# Allegro board OE19_backplane_1v02_b_0705_0920_customer.brd
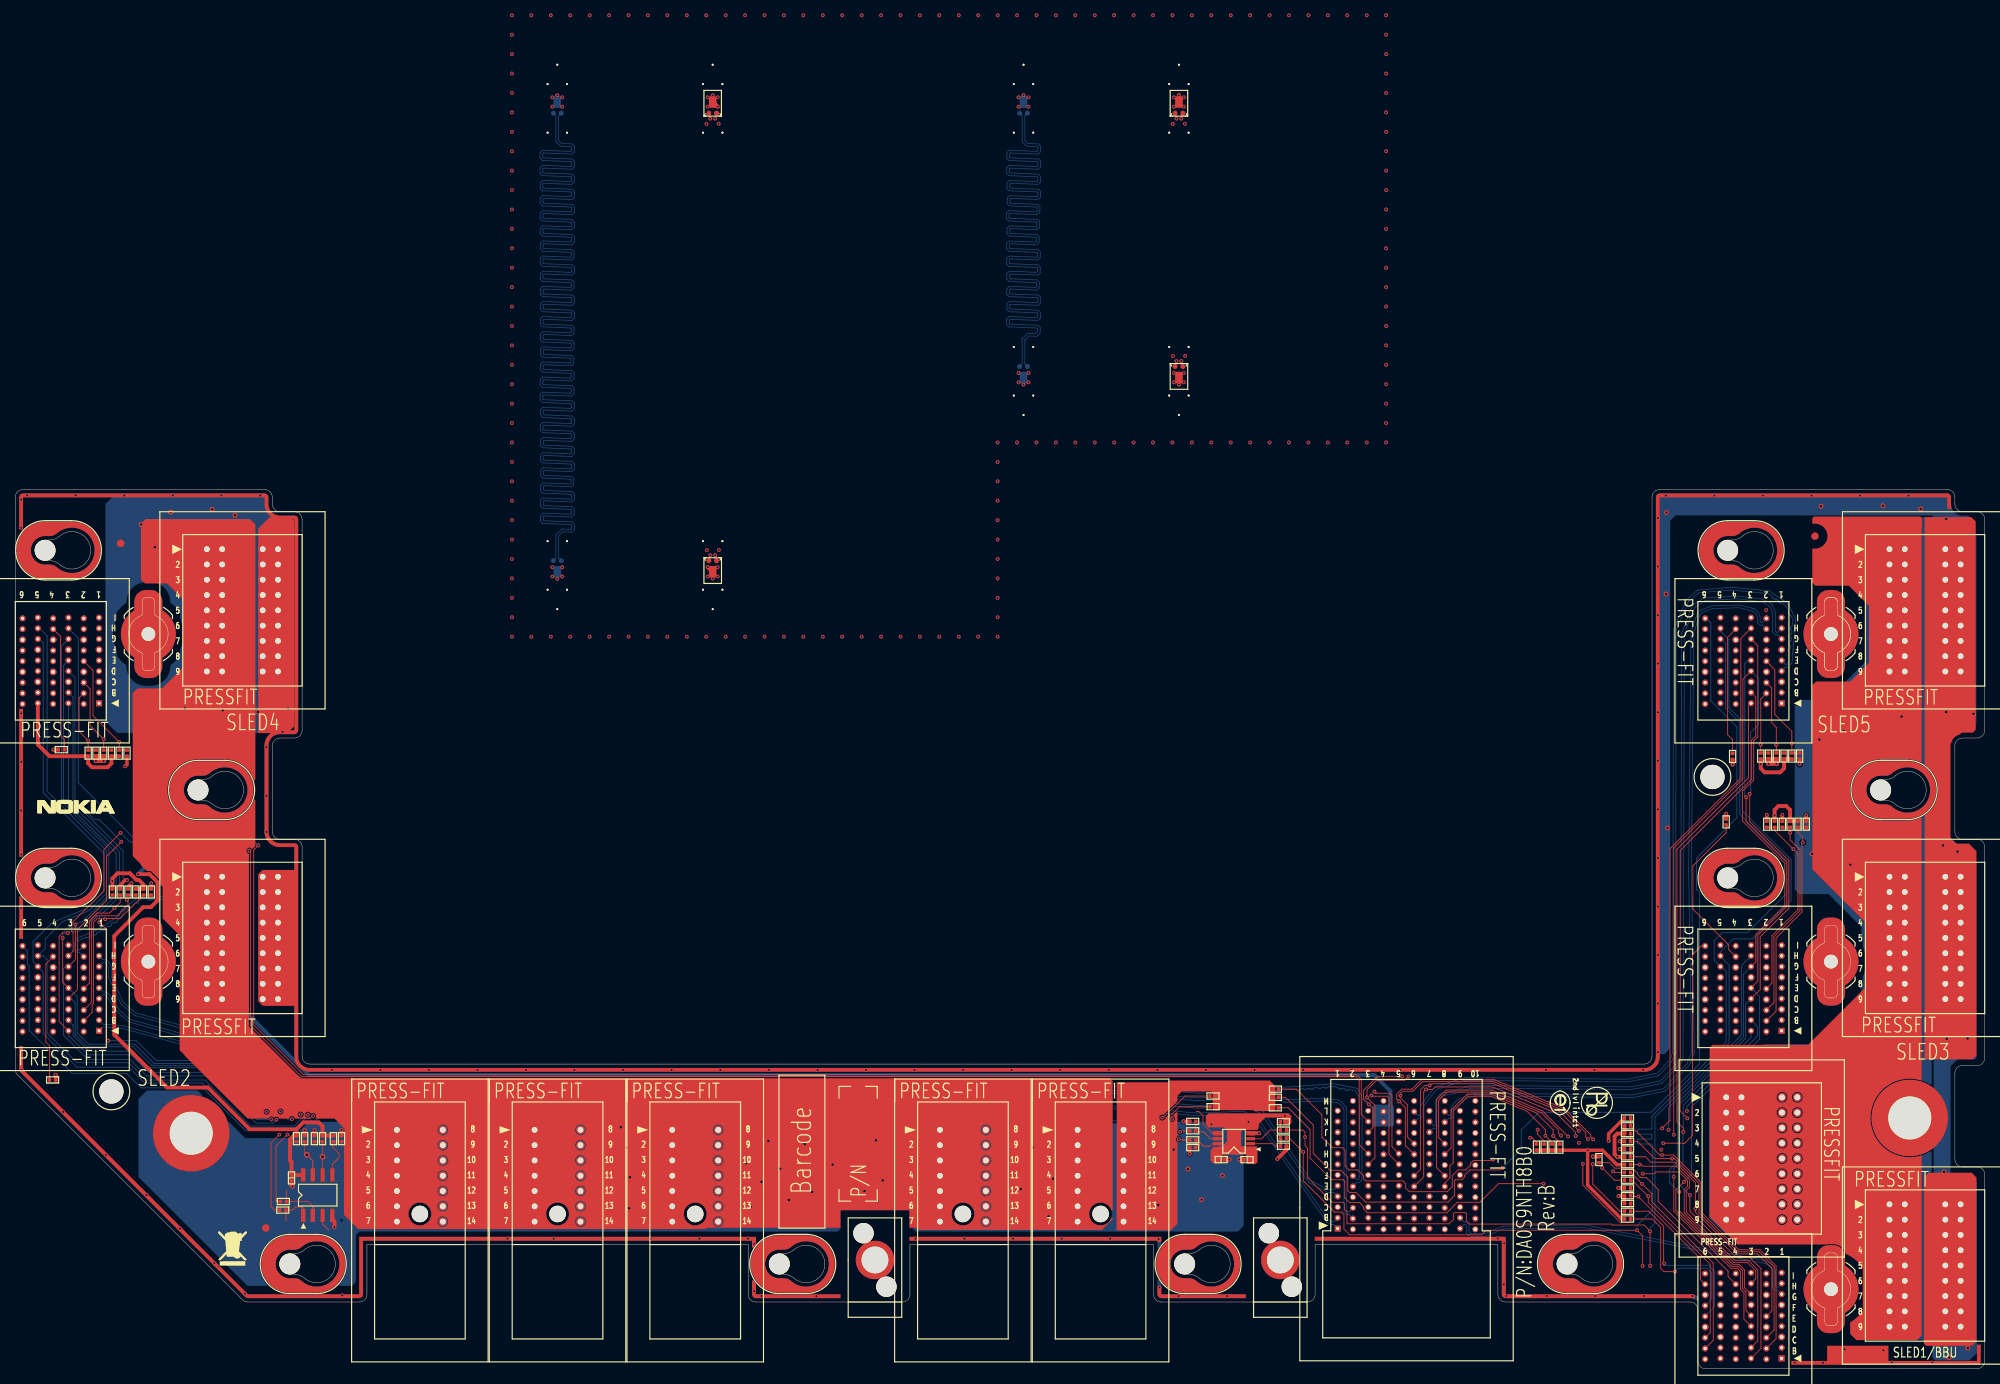
[diagram p0: board, top side]
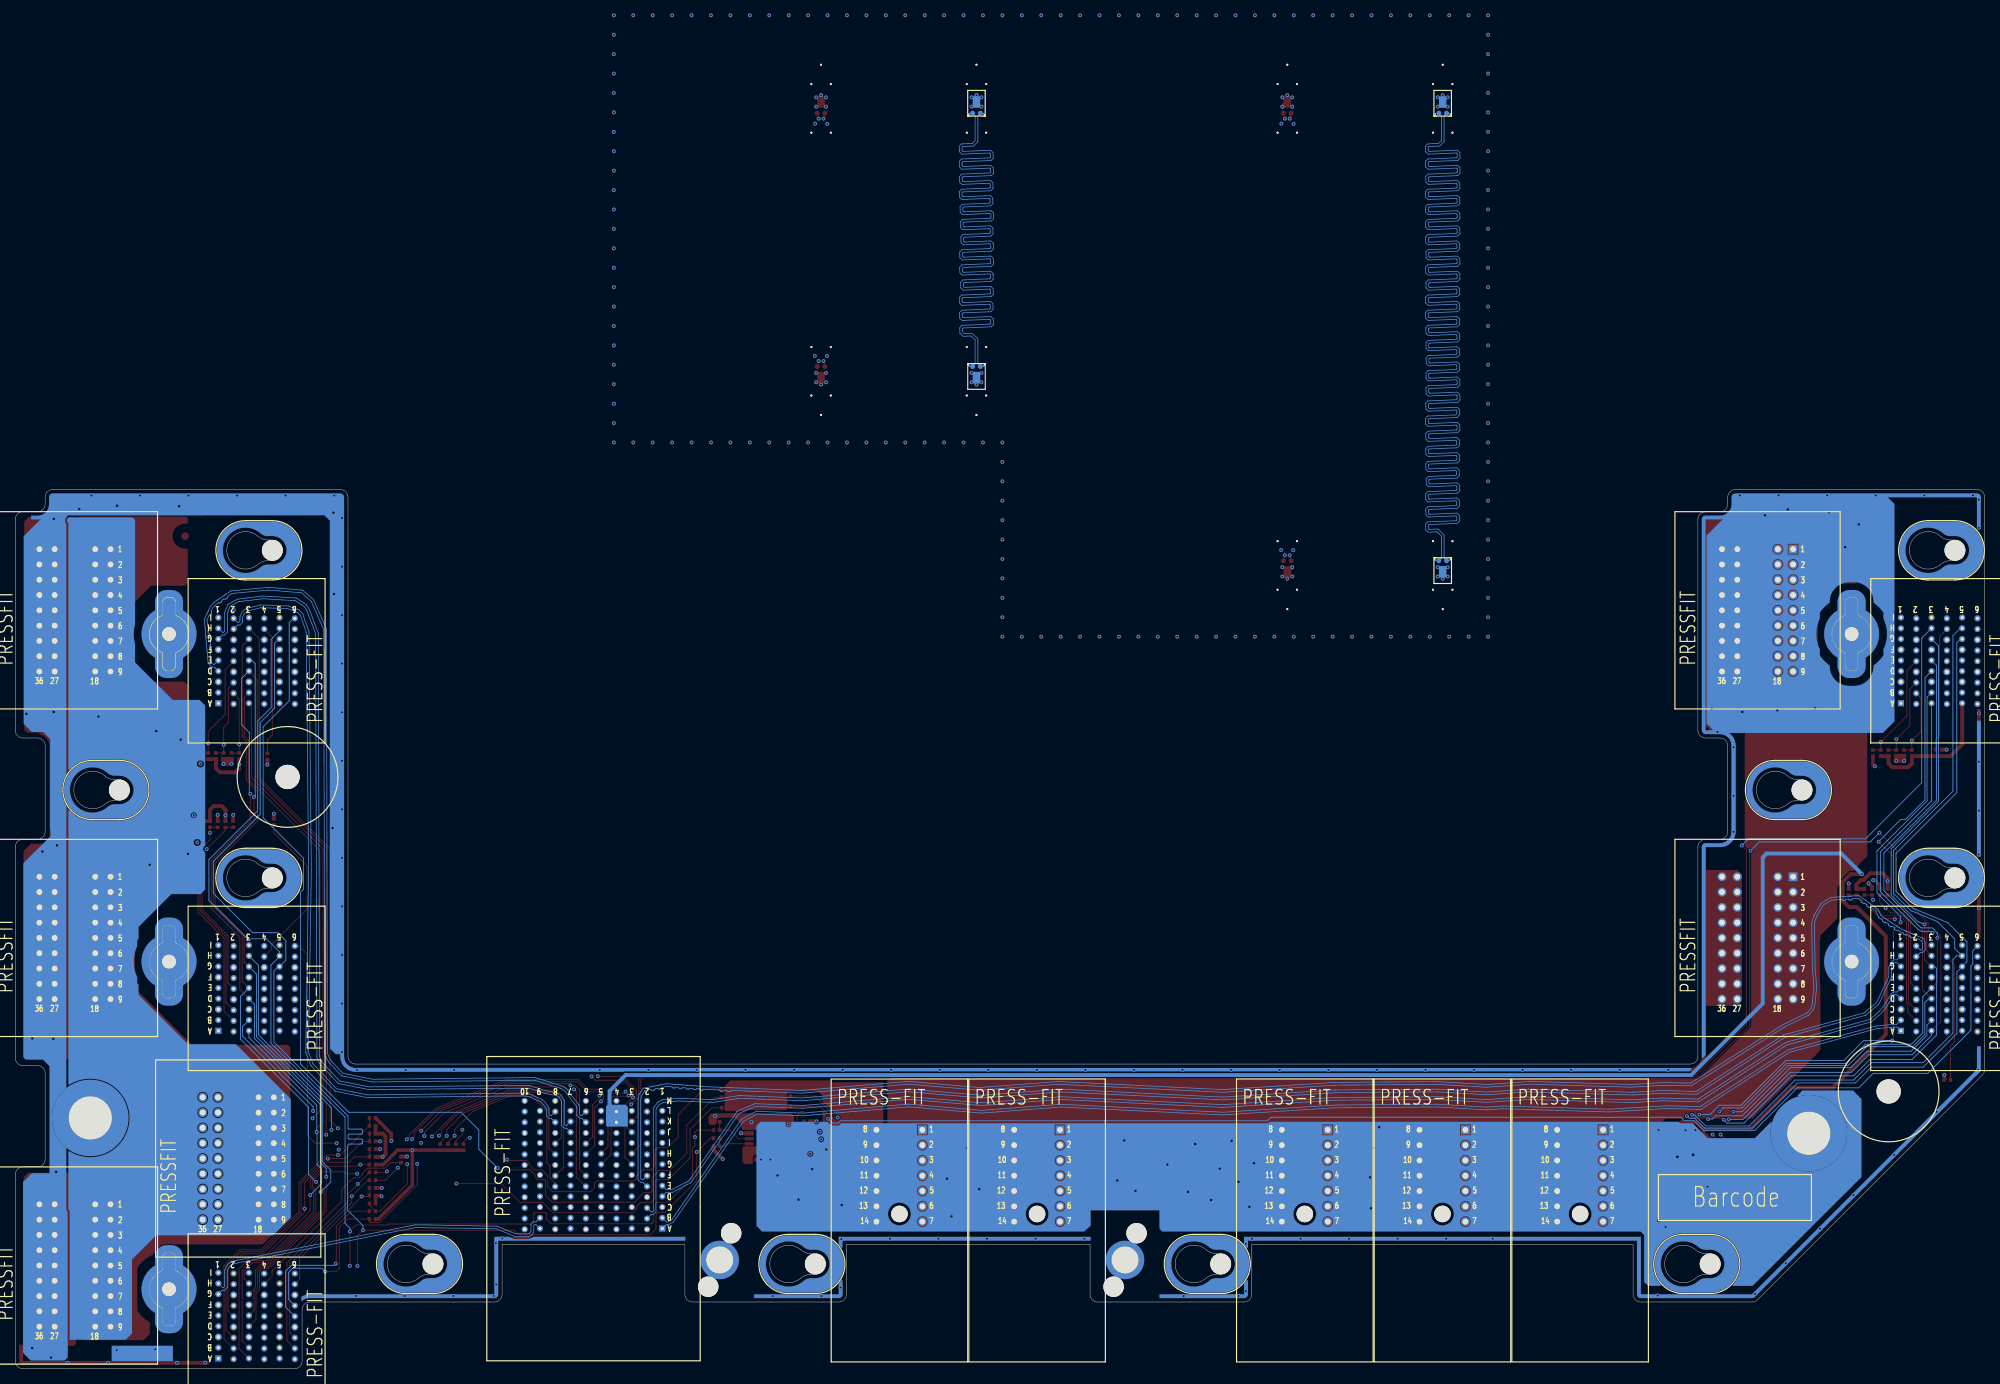
[diagram p1: board, bottom side, seen from below]

Outline 257.5 x 115 mm; copper layers: TOP, GND, IN1, VCC, VCC1, IN2, GND1, BOTTOM. Coordinates in mm from the lower left corner of the outline.

## Design rules (mm)
net group DELTA_L_85_5INCH_BOT_D: nets DELTA_L_85_5INCH_BOT_DN DELTA_L_85_5INCH_BOT_DP
net group DELTA_L_85_5INCH_IN2_D: nets DELTA_L_85_5INCH_IN2_DN DELTA_L_85_5INCH_IN2_DP
net group DELTA_L_85_10INCH_BOT_D: nets DELTA_L_85_10INCH_BOT_DN DELTA_L_85_10INCH_BOT_DP
net group DELTA_L_85_10INCH_IN2_D: nets DELTA_L_85_10INCH_IN2_DN DELTA_L_85_10INCH_IN2_DP
net group SMB_BBU_ALERT_N: nets SMB_BBU_ALERT_N SMB_BBU_ALERT_R_N
net group SMB_PMBUS_BBU_SCL: nets SMB_PMBUS_BBU_SCL SMB_PMBUS_SCL
net group SMB_PMBUS_BBU_SDA: nets SMB_PMBUS_BBU_SDA SMB_PMBUS_SDA
net group SMB_SLED_BUF_SCL: nets SMB_SLED_BUF_SCL SMB_SLED_BUF_SCL_R
net group SMB_SLED_BUF_SDA: nets SMB_SLED_BUF_SDA SMB_SLED_BUF_SDA_R
net group LAN: nets LAN_SLED1_MDIN1 LAN_SLED1_MDIP1 LAN_SLED2_MDIN3 LAN_SLED2_MDIP3 LAN_SLED3_MDIN0 LAN_SLED3_MDIN1 LAN_SLED3_MDIN3 LAN_SLED3_MDIP0 LAN_SLED3_MDIP1 LAN_SLED3_MDIP3 LAN_SLED4_MDIN0 LAN_SLED4_MDIN1 LAN_SLED4_MDIN2 LAN_SLED4_MDIN3 LAN_SLED4_MDIP0 LAN_SLED4_MDIP1 LAN_SLED4_MDIP2 LAN_SLED4_MDIP3 LAN_SLED5_MDIN0 LAN_SLED5_MDIN1 LAN_SLED5_MDIP0 LAN_SLED5_MDIP1
net group P3V3_SLED1: nets P3V3_SLED1 SB_SLED1_ADDR_0 SB_SLED1_ADDR_1 SB_SLED1_ADDR_2
net group P3V3_SLED2: nets P3V3_SLED2 SB_SLED2_ADDR_0 SB_SLED2_ADDR_1 SB_SLED2_ADDR_2
net group P3V3_SLED3: nets P3V3_SLED3 SB_SLED3_ADDR_0 SB_SLED3_ADDR_1 SB_SLED3_ADDR_2
net group P3V3_SLED4: nets P3V3_SLED4 SB_SLED4_ADDR_0 SB_SLED4_ADDR_1 SB_SLED4_ADDR_2
net group P3V3_SLED5: nets P3V3_SLED5 SB_SLED5_ADDR_0 SB_SLED5_ADDR_1 SB_SLED5_ADDR_2
net group SMB_3UBP_TEMP_SCL: nets SMB_3UBP_TEMP_SCL SMB_SLED_COMBINE_SCL SMB_SLED_COMBINE_SCL_R
net group SMB_3UBP_TEMP_SDA: nets SMB_3UBP_TEMP_SDA SMB_SLED_COMBINE_SDA SMB_SLED_COMBINE_SDA_R

## Placement (name value [footprint] x y rotation side)
C1045  0.1UF  [C0402]  36.12 24.96 270 top
C1375  0.1UF  [C0402]  157.66 27.35 0 top
C1377  0.1UF  [C0402]  161.05 27.34 180 top
DM2  -  [WEEE]  26.73 13.47 0 top
DM3  -  [PB-E1_SMALL]  206.79 34.78 270 top
DM4  -  [PNLABEL_15X5]  112.7 21.92 90 top
DM7  -  [BARCODE_20X6]  42.66 19.4 180 bottom
DM8  -  [BARCODE_20X6]  105.85 18.39 90 top
H1  -  [HOLE_C10D5-6B10_NPB]  247.7 32.8 0 top
H2  -  [HOLE_C10D5-6B10_NPB]  23 30.8 0 top
H3  -  [HOLE_C7-5D2-7_4-9B7-5_OB3-5XC3-75N_NPM]  23.9 75.7 90 top
H4  -  [HOLE_C7-5D2-7_4-9B7-5_OB3-5XC3-75N_NPM]  3.9 107.05 90 top
H5  -  [HOLE_C7-5D2-7_4-9B7-5_OB3-5XC3-75N_NPM]  3.9 64.2 90 top
H6  -  [HOLE_C7-5D2-7_4-9B7-5_OB3-5XC3-75N_NPM]  35.9 13.7 90 top
H7  -  [HOLE_C7-5D2-7_4-9B7-5_OB3-5XC3-75N_NPM]  223.9 107.05 90 top
H8  -  [HOLE_C7-5D2-7_4-9B7-5_OB3-5XC3-75N_NPM]  243.9 75.7 90 top
H9  -  [HOLE_C7-5D2-7_4-9B7-5_OB3-5XC3-75N_NPM]  223.9 64.2 90 top
H10  -  [HOLE_C7-5D2-7_4-9B7-5_OB3-5XC3-75N_NPM]  99.9 13.7 90 top
H11  -  [HOLE_C7-5D2-7_4-9B7-5_OB3-5XC3-75N_NPM]  152.9 13.7 90 top
H12  -  [HOLE_C7-5D2-7_4-9B7-5_OB3-5XC3-75N_NPM]  202.9 13.7 90 top
H13  -  [HOLE_TOOLINGD125N_T2-0]  12.56 36.27 0 top
H14  -  [HOLE_TOOLINGD125N_T2-0]  221.9 77.4 0 top
J1  -  [HSD_F36D9_P2_LUV]  245.05 107.2 0 top
J2  -  [HSD_F36D9_P2_LUV]  245.05 21.5 0 top
J3  -  [HSD_F36D9_P2_LUV]  223.7 35.5 0 top
J4  -  [HSD_F36D9_P2_LUV]  25.05 64.35 0 top
J5  -  [HSD_F36D9_P2_LUV]  245.05 64.35 0 top
J6  -  [HSD_F36D9_P2_LUV]  25.05 107.2 0 top
J7  -  [HSD_F54D6_P2W1-4_RDH]  230.95 1.35 180 top
J8  -  [HSD_M120D10H5D_P2W1-4_LDH]  172.9 18.33 180 top
J9  -  [HSD_F54D6_P2W1-4_RDH]  10.95 44.2 180 top
J10  -  [HSD_F54D6_P2W1-4_RDH]  230.95 44.2 180 top
J11  -  [HSD_F54D6_P2W1-4_RDH]  10.95 87.05 180 top
J12  -  [HSD_F54D6_P2W1-4_RDH]  230.95 87.05 180 top
J15  -  [TRIANG_LAUNCH_3PXA]  131.83 165.53 0 bottom
J16  -  [TRIANG_LAUNCH_3PXA]  152.15 129.79 0 top
J21  -  [TRIANG_LAUNCH_3PXA]  131.82 129.79 180 bottom
J22  -  [TRIANG_LAUNCH_3PXA]  152.14 165.53 180 top
J27  -  [TRIANG_LAUNCH_3PXA]  70.86 104.39 180 bottom
J28  -  [TRIANG_LAUNCH_3PXA]  91.18 165.53 180 top
J33  -  [TRIANG_LAUNCH_3PXA]  70.87 165.53 0 bottom
J34  -  [TRIANG_LAUNCH_3PXA]  91.19 104.39 0 top
J37  -  [CON_GUIDE-M1XE]  17.4 53.25 0 top
J38  -  [CON_GUIDE-M1XE]  17.4 96.1 0 top
J39  -  [CON_GUIDE-M1XE]  237.4 10.4 0 top
J40  -  [CON_GUIDE-M1XE]  237.4 53.25 0 top
J41  -  [CON_GUIDE-M1XE]  237.4 96.1 0 top
JP1  -  [HSD_M14]  85.9 31.24 0 top
JP2  -  [HSD_M14]  120.9 31.24 0 top
JP3  -  [HSD_M14]  67.9 31.24 0 top
JP4  -  [HSD_M14]  138.9 31.24 0 top
JP5  -  [CON_GUIDE-FXC]  112.4 14.23 0 top
JP6  -  [CON_GUIDE-FXC]  165.4 14.23 0 top
JP7  -  [HSD_M14]  49.9 31.24 0 top
NOREF  -  []  0 0 0 top
NOREF#2  -  []  -10 230 0 top
NOREF#3  -  []  152.9 13.7 0 top
NOREF#4  -  []  128.6 15.24 0 top
NOREF#5  -  []  223.9 107.05 0 top
NOREF#6  -  []  287.3 400.43 0 top
NOREF#7  -  []  213 92.7 90 top
NOREF#8  -  []  258.5 99.52 270 top
NOREF#9  -  []  256.5 0 90 top
NOREF#10  -  []  186.62 40.85 0 top
NOREF#11  -  []  186.28 191.15 180 top
NOREF#12  -  []  259.6 134.4 90 top
NOREF#13  -  []  3.9 107.05 0 top
NOREF#14  -  []  45.6 166.85 90 top
NOREF#15  -  []  243.9 75.7 0 top
NOREF#16  -  []  243.9 75.7 0 top
NOREF#17  -  [unnamed#2]  235.31 108.9 0 top
NOREF#18  -  []  199.78 7.72 0 top
NOREF#19  -  []  202.9 13.7 0 top
NOREF#20  -  []  17.4 53.25 0 top
NOREF#21  -  []  237.4 96.1 0 top
NOREF#22  -  []  99.9 13.7 0 top
NOREF#23  -  []  220.1 174.93 90 top
NOREF#24  -  []  223.9 64.2 0 top
NOREF#25  -  []  3.9 107.05 0 top
NOREF#26  -  []  237.4 10.4 0 top
NOREF#27  -  []  157.13 7.72 0 top
NOREF#28  -  []  213 65.15 270 top
NOREF#29  -  []  -1 64.52 90 top
NOREF#30  -  []  237.4 96.1 0 top
NOREF#31  -  []  38.5 99.72 270 top
NOREF#32  -  []  3.9 64.2 0 top
NOREF#33  -  []  0.1 178.82 90 top
NOREF#34  -  []  0 0 0 top
NOREF#35  -  []  3.9 64.2 0 top
NOREF#36  -  []  23.9 75.7 0 top
NOREF#37  -  []  135.48 191.15 180 top
NOREF#38  -  []  38.5 57.07 270 top
NOREF#39  -  []  99.9 13.7 0 top
NOREF#40  -  []  237.4 10.4 0 top
NOREF#41  -  []  236.38 116 0 top
NOREF#42  -  [unnamed#2]  13.77 107.95 0 top
NOREF#43  -  []  85.95 15.24 0 top
NOREF#44  -  []  237.4 53.25 0 top
NOREF#45  -  []  19.68 116 180 top
NOREF#46  -  []  155.31 224.28 180 top
NOREF#47  -  []  237.4 53.25 0 top
NOREF#48  -  []  202.9 13.7 0 top
NOREF#49  -  []  223.9 107.05 0 top
NOREF#50  -  []  406.33 171.42 0 top
NOREF#51  -  []  45.6 139.3 270 top
NOREF#52  -  []  -1 102.62 90 top
NOREF#53  -  []  71.98 191.15 180 top
NOREF#54  -  []  72.32 40.85 0 top
NOREF#55  -  []  256.5 0 90 top
NOREF#56  -  []  223.9 64.2 0 top
NOREF#57  -  []  -2 0 0 top
NOREF#58  -  []  220.1 132.28 90 top
NOREF#59  -  []  -0.9 232 0 top
NOREF#60  -  []  259.6 177.05 90 top
NOREF#61  -  []  260.6 232 0 top
NOREF#62  -  []  123.12 40.85 0 top
NOREF#63  -  [unnamed#2]  32.76 18.4 0 top
NOREF#64  -  []  259.5 0 0 top
NOREF#65  -  []  0.1 140.72 90 top
NOREF#66  -  []  17.4 96.1 0 top
NOREF#67  -  []  0 39.14 0 top
NOREF#68  -  []  258.5 56.87 270 top
NOREF#69  -  []  23.9 75.7 0 top
NOREF#70  -  []  152.9 13.7 0 top
NOREF#71  -  []  17.4 96.1 0 top
NOREF#72  -  []  17.4 53.25 0 top
NOREF#73  -  []  56.28 224.28 180 top
R1  4.7K  [R0402]  15.75 62.36 270 top
R2  4.7K  [R0402]  230.02 71.22 270 top
R3  4.7K  [R0402]  9.53 80.52 90 top
R4  4.7K  [R0402]  231.27 80.14 90 top
R5  4.7K  [R0402]  232.28 80.14 90 top
R6  4.7K  [R0402]  13.59 80.52 90 top
R7  1K  [R0402]  10.54 80.52 270 top
R8  4.7K  [R0402]  16.76 62.36 270 top
R9  1K  [R0402]  17.78 62.36 90 top
R10  4.7K  [R0402]  233.09 71.23 270 top
R11  1K  [R0402]  234.17 71.23 90 top
R12  4.7K  [R0402]  232.05 71.22 270 top
R13  4.7K  [R0402]  210.8 30.76 0 top
R14  4.7K  [R0402]  12.7 62.36 270 top
R15  4.7K  [R0402]  210.8 27.71 0 top
R16  4.7K  [R0402]  228.22 80.14 90 top
R17  1K  [R0402]  229.24 80.14 270 top
R18  4.7K  [R0402]  12.57 80.52 90 top
R19  1K  [R0402]  14.73 62.36 90 top
R20  1K  [R0402]  231.04 71.22 90 top
R21  1K  [R0402]  210.8 29.74 180 top
R22  1K  [R0402]  13.72 62.36 90 top
R23  1K  [R0402]  229 71.22 90 top
R24  1K  [R0402]  210.8 28.73 180 top
R25  1K  [R0402]  230.25 80.14 270 top
R26  1K  [R0402]  11.56 80.52 270 top
R27  1K  [R0402]  233.3 80.14 270 top
R28  1K  [R0402]  14.61 80.52 270 top
R29  4.7K  [R0402]  210.8 19.58 0 top
R30  4.7K  [R0402]  201.94 28.98 90 top
R31  4.7K  [R0402]  210.8 22.63 0 top
R32  1K  [R0402]  210.8 23.65 180 top
R33  4.7K  [R0402]  198.89 28.98 90 top
R34  4.7K  [R0402]  200.92 28.98 90 top
R35  4.7K  [R0402]  199.91 28.98 90 top
R36  4.7K  [R0402]  210.8 26.7 0 top
R37  4.7K  [R0402]  210.8 21.62 0 top
R38  0  [R0402]  210.8 20.6 0 top
R39  0  [R0402]  210.8 25.68 0 top
R40  0  [R0402]  210.8 24.66 0 top
R41  100  [R0402]  164.74 34.13 180 top
R42  100  [R0402]  156.6 34.28 0 top
R43  100  [R0402]  164.76 36.57 180 top
R44  100  [R0402]  156.6 35.67 0 top
R45  100  [R0402]  164.75 35.5 180 top
R46  0  [R0402]  153.95 29.94 0 top
R47  0  [R0402]  153.95 31.12 0 top
R48  4.7K  [R0402]  153.95 28.93 0 top
R49  4.7K  [R0402]  153.95 32.35 0 top
R50  4.7K  [R0402]  165.81 29.1 180 top
R51  4.7K  [R0402]  165.81 32.3 180 top
R52  0  [R0402]  165.81 30.17 0 top
R53  0  [R0402]  165.81 31.21 0 top
R54  0  [R0402]  207.07 27.35 90 top
R55  0  [R0402]  4.88 37.78 0 top
R56  0  [R0402]  223.7 71.53 90 top
R57  0  [R0402]  6.01 80.98 180 top
R58  0  [R0402]  224.54 80.08 270 top
R1102  4.7K  [R0402]  41.59 30.09 270 top
R1103  100  [R0402]  42.65 30.09 90 top
R1108  4.7K  [R0402]  40.17 30.09 270 top
R1109  100  [R0402]  39.11 30.09 90 top
R1113  4.7K  [R0402]  36.76 30.09 270 top
R1114  100  [R0402]  37.84 30.09 90 top
R1122  33.2  [R0402]  34.98 20.75 180 top
R1123  33.2  [R0402]  35.05 21.87 180 top
R2297  4.7K  [R0402]  210.8 31.78 0 top
R2298  1K  [R0402]  210.8 32.79 180 top
U31  -  [SOIC8]  39.54 22.7 90 top
U118  -  [TSSOP8_3XB]  159.35 29.76 180 top

## Library data of the parts
C1045 = Q_CAP: alternate symbols: (C0402_OCTAGONXA); part number: Q_CAP_0402-0.1UF,25V,10%,X7R,CH4104K1B00; tolerance: 10%; signal model: DEFAULT_CAPACITOR_100000pF_2_1
C1375 C1377 = Q_CAP: alternate symbols: (C0402_OCTAGONXA); part number: Q_CAP_0402-0.1UF,25V,10%,X7R,CH4104K1B00; tolerance: 10%
DM2 = DUMMY_SYMBOL: part number: DUMMY_SYMBOL-WEEE,MECH,EMPTY,DUMMY2
DM3 = DUMMY_SYMBOL: part number: DUMMY_SYMBOL-PB-E1_SMALL,MECH,EMPTY,DUMMY3
DM4 = DUMMY_SYMBOL: part number: DUMMY_SYMBOL-PCBA_LABEL_15X5,MECH,MECH,DUMMY4
DM7 DM8 = DUMMY_SYMBOL: part number: DUMMY_SYMBOL-BARCODE_20X6,MECH,MECH,DUMMY15
H1 H2 = HOLE: part number: HOLE_TH-EMPTY,HOLE596
H3-H12 = HOLE: part number: HOLE_TH-EMPTY,HOLE1056
H13 H14 = HOLE: part number: HOLE_TH-EMPTY,DUMMY50
J1-J6 = CONN36_10078768001LHLF: part number: CONN36_10078768001LHLF-CONN36_10078768-001LHLF,THLF,IO,DFHS36FS123
J7 J9-J12 = CONN54_10130665102LF: part number: CONN54_10130665102LF-CONN54_10130665-102LF,THLF,IO,DFHS54FS008
J8 = CONN120_10124150102LF: part number: CONN120_10124150102LF-CONN120_10124150-102LF,THLF,IO,DFHDC0MR005
J15 J16 J21 J22 J27 J28 J33 J34 = DELTA_L: part number: DELTA_L-DELTA-L,THLF,EMPTY,TP24
J37-J41 = CONN1_D11402200000Z1: part number: CONN1_D11402200000Z1-CONN1_D11402-200000-Z1,THLF,IO,DFHD01MS073
JP1-JP4 JP7 = CONN14_10028918001LF: part number: CONN14_10028918001LF-CONN14_10028918001LF,THLF,IO,DFPJ14MR000
JP5 JP6 = CONN1_D11403000A00Z1: part number: CONN1_D11403000A00Z1-CONN1_D11403000A00Z1,THLF,IO,DFHS03FR014
R1 R5 R6 R10 R12 R16 R29 R30 R33-R37 R1102 R1108 R2297 = Q_RES: alternate symbols: (SMR0402AW); part number: Q_RES_0402LF-4.7K,1%,1/16W,CHIP,CS24702FB10; tolerance: 1%; signal model: DEFAULT_RESISTOR_4700OHM_2_1
R2-R4 R8 R13-R15 R18 R31 R1113 = Q_RES: alternate symbols: (SMR0402AW); part number: Q_RES_0402LF-4.7K,1%,1/16W,EMPTY,CS24702FB10; tolerance: 1%; signal model: DEFAULT_RESISTOR_4700OHM_2_1
R7 R9 R21-R26 R32 = Q_RES: alternate symbols: (SMR0402AW); part number: Q_RES_0402LF-1K,1%,1/16W,CHIP,TMP_QCS21002FB24; tolerance: 1%; signal model: DEFAULT_RESISTOR_1000.000000OHM_2_1
R11 R17 R19 R20 R27 R28 R2298 = Q_RES: alternate symbols: (SMR0402AW); part number: Q_RES_0402LF-1K,1%,1/16W,EMPTY,TMP_QCS21002FB24; tolerance: 1%; signal model: DEFAULT_RESISTOR_1000.000000OHM_2_1
R38-R40 = Q_RES: alternate symbols: (SMR0402AW); part number: Q_RES_0402LF-0,5%,1/16W,CHIP,CS00002JB38; tolerance: 5%; signal model: DEFAULT_RESISTOR_0.001OHM_2_1
R41-R45 = Q_RES: alternate symbols: (SMR0402AW); part number: Q_RES_0402LF-100,1%,1/16W,CHIP,TMP_QCS11002FB22; tolerance: 1%
R46 R47 R52 R53 = Q_RES: alternate symbols: (SMR0402AW); part number: Q_RES_0402LF-0,5%,1/16W,CHIP,CS00002JB38; tolerance: 5%; signal model: Q_RES_0402LF-0_5%_1/16W_CHIP_CA_0
R48 R49 = Q_RES: alternate symbols: (SMR0402AW); part number: Q_RES_0402LF-4.7K,1%,1/16W,EMPTY,CS24702FB10; tolerance: 1%
R50 R51 = Q_RES: alternate symbols: (SMR0402AW); part number: Q_RES_0402LF-4.7K,1%,1/16W,CHIP,CS24702FB10; tolerance: 1%
R54-R58 = Q_RES: alternate symbols: (SMR0402AW); part number: Q_RES_0402LF-0,5%,1/16W,CHIP,CS00002JB38; tolerance: 5%
R1103 R1109 = Q_RES: alternate symbols: (SMR0402AW); part number: Q_RES_0402LF-100,1%,1/16W,EMPTY,TMP_QCS11002FB22; tolerance: 1%; signal model: DEFAULT_RESISTOR_100OHM_2_1
R1114 = Q_RES: alternate symbols: (SMR0402AW); part number: Q_RES_0402LF-100,1%,1/16W,CHIP,TMP_QCS11002FB22; tolerance: 1%; signal model: DEFAULT_RESISTOR_100OHM_2_1
R1122 R1123 = Q_RES: alternate symbols: (SMR0402AW); part number: Q_RES_0402LF-33.2,1%,1/16W,CHIP,CS03322FB34; tolerance: 1%; signal model: Q_RES_0402LF-33.2_1%_1/16W_CHIA_33.2
U31 = TMP75AIDR: part number: TMP75AIDR_SMLF-TMP75AIDR,IC,TMP_QAL000075061
U118 = PCA9617ADP: part number: PCA9617ADP-PCA9617ADP,SMLF,IC,AL009617K02

## Footprints (pads in the part's own frame, mm; a bottom-side part is the same pattern mirrored in y, then rotated)
BARCODE_20X6
  round 0.102 smd: 1(0,0)
C0402
  rect 0.457x0.508 smd: 1(-0.4,0) 2(0.4,0)
CON_GUIDE-FXC
  round 2.667 hole 2.667 unplated: (-1.5,3.5) (1.5,-3.5)
  round 5.029 hole 3.505: 1(0,0)
CON_GUIDE-M1XE
  custom 7.192x11.532 hole 5.182: G1(0,0)
HOLE_C7-5D2-7_4-9B7-5_OB3-5XC3-75N_NPM
  round 2.718 hole 2.718 unplated: (0,0)
HOLE_C10D5-6B10_NPB
  round 10.008 hole 5.613: 1(0,0)
HOLE_TOOLINGD125N_T2-0
  round 3.175 hole 3.175 unplated: (0,0)
HSD_F36D9_P2_LUV
  rect 1.156x1.156 hole 0.75: 1(0,0)
  round 1.156 hole 0.75: 2(0,-2) 3(0,-4) 4(0,-6) 5(0,-8) 6(0,-10) 7(0,-12) 8(0,-14) 9(0,-16) 10(2,0) 11(2,-2) 12(2,-4) 13(2,-6) 14(2,-8) 15(2,-10) 16(2,-12) 17(2,-14) 18(2,-16) 19(7.3,0) 20(7.3,-2) 21(7.3,-4) 22(7.3,-6) 23(7.3,-8) 24(7.3,-10) 25(7.3,-12) 26(7.3,-14) 27(7.3,-16) 28(9.3,0) 29(9.3,-2) 30(9.3,-4) 31(9.3,-6) 32(9.3,-8) 33(9.3,-10) 34(9.3,-12) 35(9.3,-14) 36(9.3,-16)
HSD_F54D6_P2W1-4_RDH
  rect 0.806x0.806 hole 0.4: A1(0,0)
  round 0.806 hole 0.4: A2(2,0.1) A3(4,0) A4(6,0.1) A5(8,0) A6(10,0.1) B1(0,-1.4) B2(2,-1.3) B3(4,-1.4) B4(6,-1.3) B5(8,-1.4) B6(10,-1.3) C2(2,-2.7) C4(6,-2.7) C6(10,-2.7) D1(0,-4.2) D3(4,-4.2) D5(8,-4.2) E1(0,-5.6) E2(2,-5.5) E3(4,-5.6) E4(6,-5.5) E5(8,-5.6) E6(10,-5.5) F2(2,-6.9) F4(6,-6.9) F6(10,-6.9) G1(0,-8.4) G3(4,-8.4) G5(8,-8.4) H1(0,-9.8) H2(2,-9.7) H3(4,-9.8) H4(6,-9.7) H5(8,-9.8) H6(10,-9.7) I1(0,-11.2) I2(2,-11.1) I3(4,-11.2) I4(6,-11.1) I5(8,-11.2) I6(10,-11.1)
  round 0.906 hole 0.5: C1(0,-2.8) C3(4,-2.8) C5(8,-2.8) D2(2,-4.1) D4(6,-4.1) D6(10,-4.1) F1(0,-7) F3(4,-7) F5(8,-7) G2(2,-8.3) G4(6,-8.3) G6(10,-8.3)
HSD_M14
  round 2.159 hole 2.159 unplated: (3,-11)
  rect 1.156x1.156 hole 0.75: 1(0,0)
  round 1.156 hole 0.75: 2(0,-2) 3(0,-4) 4(0,-6) 5(0,-8) 6(0,-10) 7(0,-12) 8(6,0) 9(6,-2) 10(6,-4) 11(6,-6) 12(6,-8) 13(6,-10) 14(6,-12)
HSD_M120D10H5D_P2W1-4_LDH
  rect 0.8x0.8 hole 0.4: A1(0,0)
  round 0.8 hole 0.5: A2(-2,0.1) A4(-6,0.1) A6(-10,0.1) A8(-14,0.1) A10(-18,0.1) C1(0,-2.8) C3(-4,-2.8) C5(-8,-2.8) C7(-12,-2.8) C9(-16,-2.8) D2(-2,-4.1) D4(-6,-4.1) D6(-10,-4.1) D8(-14,-4.1) D10(-18,-4.1) F1(0,-7) F3(-4,-7) F5(-8,-7) F7(-12,-7) F9(-16,-7) G2(-2,-8.3) G4(-6,-8.3) G6(-10,-8.3) G8(-14,-8.3) G10(-18,-8.3) I1(0,-11.2) I3(-4,-11.2) I5(-8,-11.2) I7(-12,-11.2) I9(-16,-11.2) J2(-2,-12.5) J4(-6,-12.5) J6(-10,-12.5) J8(-14,-12.5) J10(-18,-12.5) L1(0,-15.4) L3(-4,-15.4) L5(-8,-15.4) L7(-12,-15.4) L9(-16,-15.4) MG1(-2,-16.7) MG2(-6,-16.7) MG3(-10,-16.7) MG4(-14,-16.7) MG5(-18,-16.7)
  round 0.8 hole 0.4: A3(-4,0) A5(-8,0) A7(-12,0) A9(-16,0) B1(0,-1.4) B2(-2,-1.3) B3(-4,-1.4) B4(-6,-1.3) B5(-8,-1.4) B6(-10,-1.3) B7(-12,-1.4) B8(-14,-1.3) B9(-16,-1.4) B10(-18,-1.3) C2(-2,-2.7) C4(-6,-2.7) C6(-10,-2.7) C8(-14,-2.7) C10(-18,-2.7) D1(0,-4.2) D3(-4,-4.2) D5(-8,-4.2) D7(-12,-4.2) D9(-16,-4.2) E1(0,-5.6) E2(-2,-5.5) E3(-4,-5.6) E4(-6,-5.5) E5(-8,-5.6) E6(-10,-5.5) E7(-12,-5.6) E8(-14,-5.5) E9(-16,-5.6) E10(-18,-5.5) F2(-2,-6.9) F4(-6,-6.9) F6(-10,-6.9) F8(-14,-6.9) F10(-18,-6.9) G1(0,-8.4) G3(-4,-8.4) G5(-8,-8.4) G7(-12,-8.4) G9(-16,-8.4) H1(0,-9.8) H2(-2,-9.7) H3(-4,-9.8) H4(-6,-9.7) H5(-8,-9.8) H6(-10,-9.7) H7(-12,-9.8) H8(-14,-9.7) H9(-16,-9.8) H10(-18,-9.7) I2(-2,-11.1) I4(-6,-11.1) I6(-10,-11.1) I8(-14,-11.1) I10(-18,-11.1) J1(0,-12.6) J3(-4,-12.6) J5(-8,-12.6) J7(-12,-12.6) J9(-16,-12.6) K1(0,-14) K2(-2,-13.9) K3(-4,-14) K4(-6,-13.9) K5(-8,-14) K6(-10,-13.9) K7(-12,-14) K8(-14,-13.9) K9(-16,-14) K10(-18,-13.9) L2(-2,-15.3) L4(-6,-15.3) L6(-10,-15.3) L8(-14,-15.3) L10(-18,-15.3)
PB-E1_SMALL
  round 0.102 smd: 1(0,0)
PNLABEL_15X5
  round 0.102 smd: 1(0,0)
R0402
  rect 0.457x0.508 smd: 1(-0.4,0) 2(0.4,0)
SOIC8
  rect 1.727x0.559 smd: 1(-2.642,1.905) 2(-2.642,0.635) 3(-2.642,-0.635) 4(-2.642,-1.905) 5(2.642,-1.905) 6(2.642,-0.635) 7(2.642,0.635) 8(2.642,1.905)
TRIANG_LAUNCH_3PXA
  round 0.254 hole 0.991 unplated: (-1.274,3.852) (-1.274,-2.498) (-0.004,-5.038) (1.266,3.852) (1.266,-2.498)
  round 0.66 smd: 1(-0.512,1.301) 2(0.504,1.301)
  rect 0.991x1.499 smd: 3(-0.004,-0.148)
TSSOP8_3XB
  rect 1.168x0.61 smd: 1(-2.175,1.05) 4(-2.175,-1.05) 5(2.175,-1.05) 8(2.175,1.05)
  rect 1.168x0.432 smd: 2(-2.175,0.325) 3(-2.175,-0.325) 6(2.175,-0.325) 7(2.175,0.325)
unnamed#2
  round 0.991 smd: 1(0,0)
WEEE
  round 0.102 smd: 1(0,0)
